# Altium PCB D-HMC194.PcbDoc
Units mil, origin at the board's own origin, x right, y up, seen from the top; angles counter-clockwise.
Board outline 1045 x 1153 mil, 2 copper layers (Top Layer, Bottom Layer); 12 components, 13 nets, 53 pads, 2 vias.
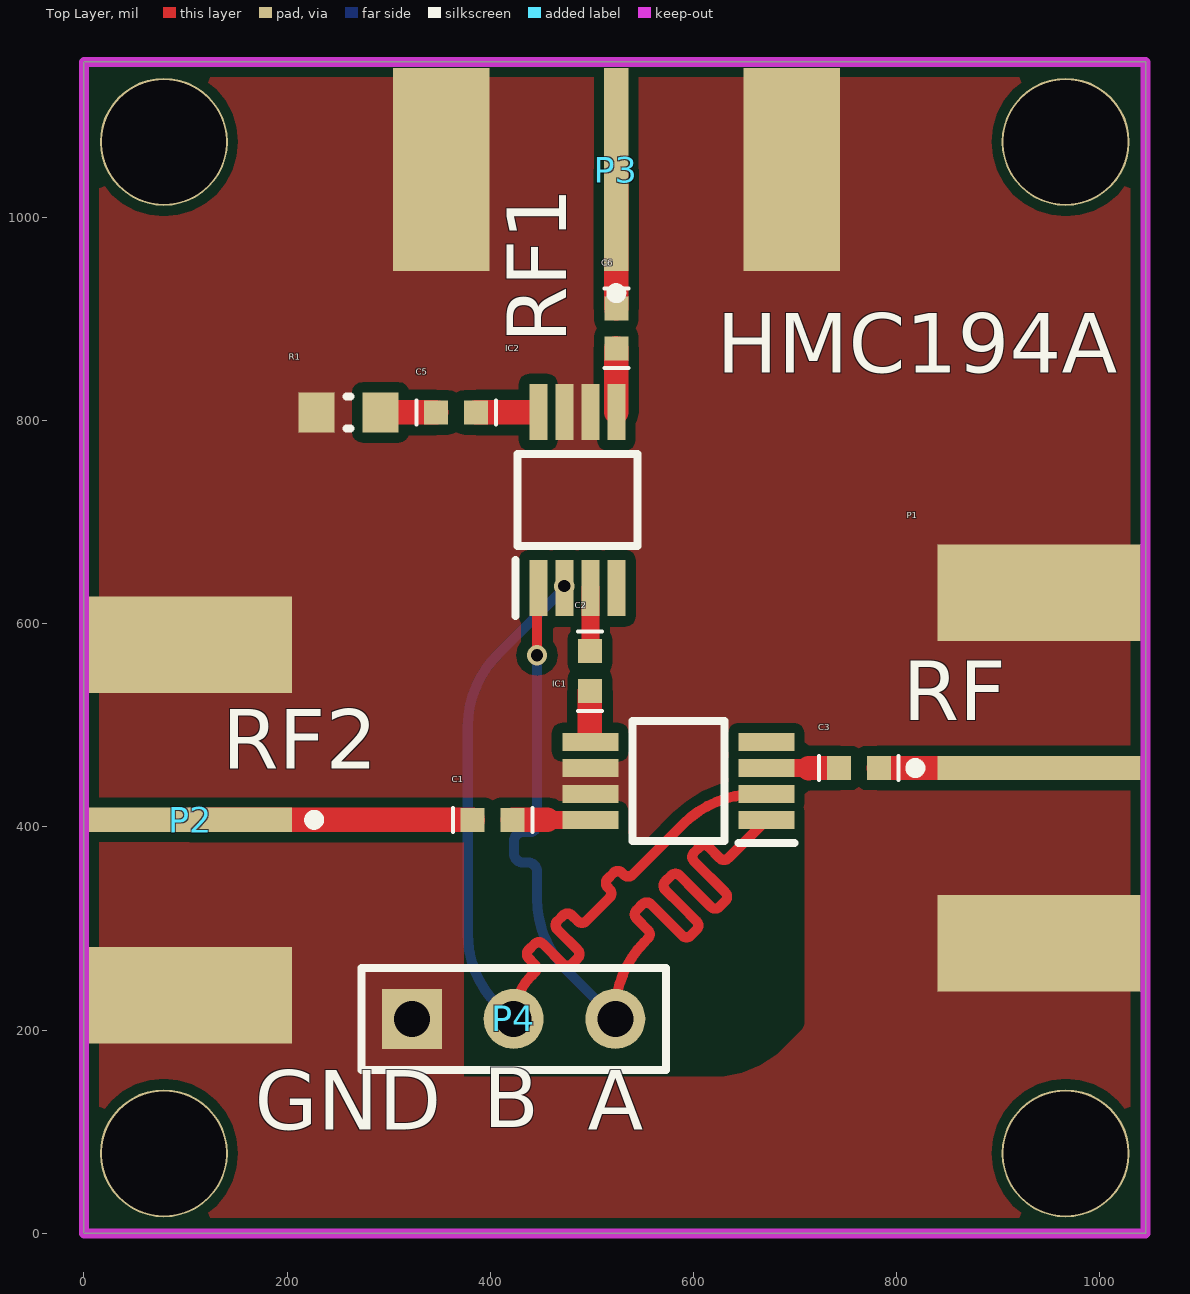
[diagram p0: Top Layer view]
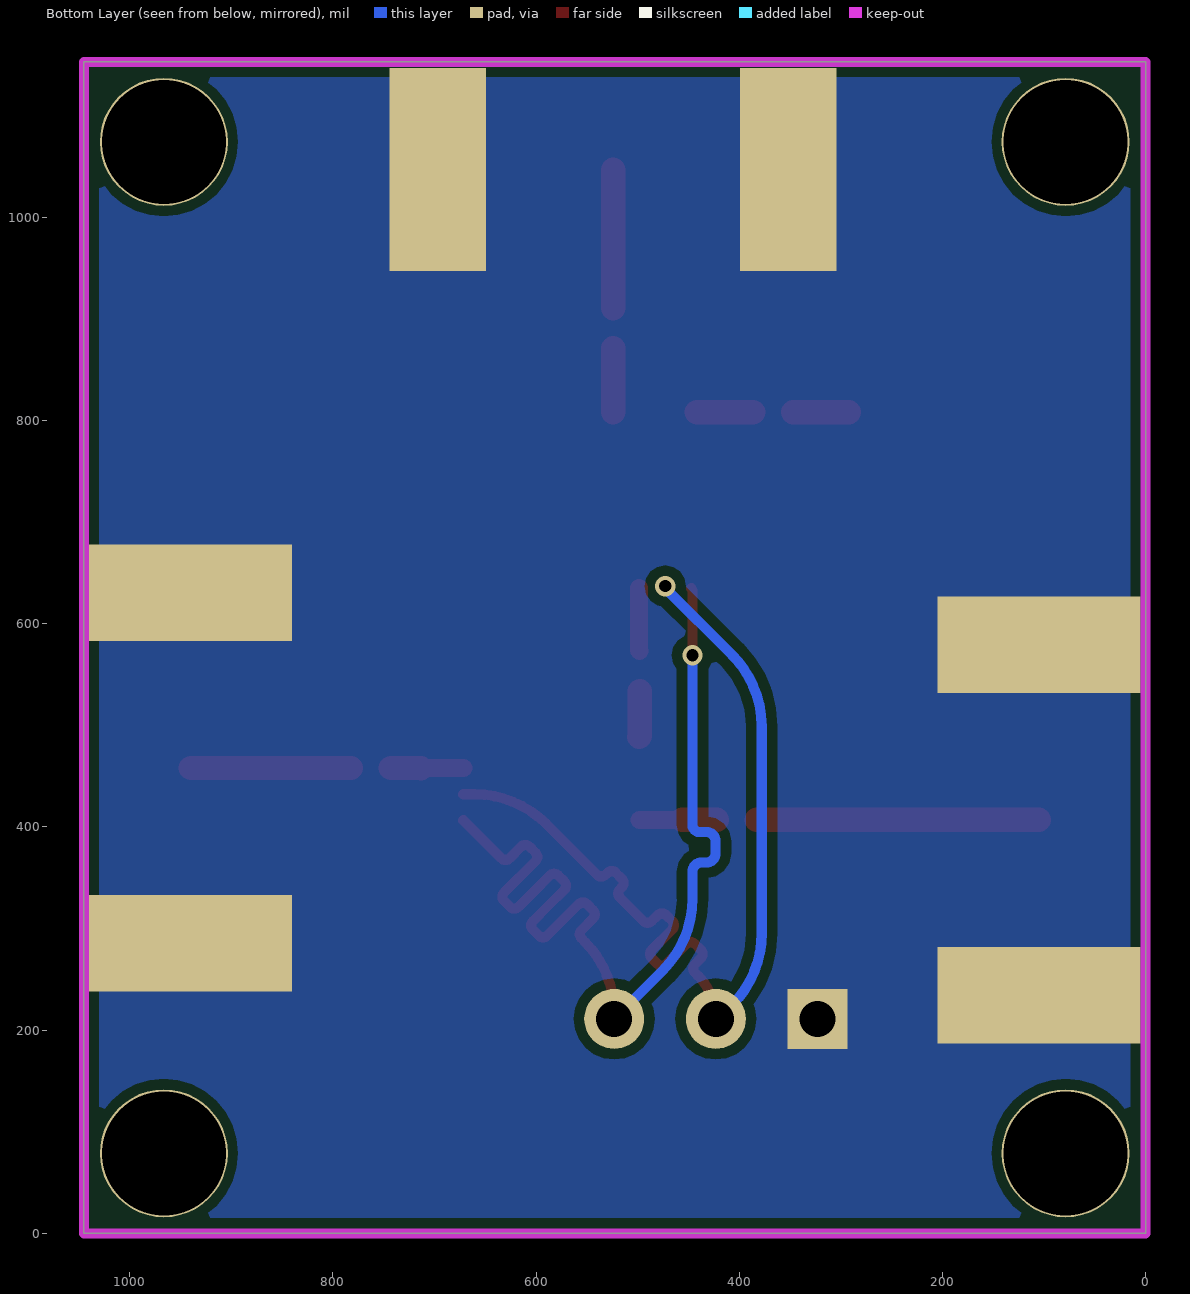
[diagram p1: Bottom Layer view, seen from below]

## Layer stack, top to bottom
Top Solder: solder mask 0.4, Solder Resist, Dk 3.5
Top Layer: signal copper 1.4
Dielectric 1: dielectric 12.6, FR-4, Dk 4.8
Bottom Layer: signal copper 1.4
Bottom Solder: solder mask 0.4, Solder Resist, Dk 3.5

## Board outline
0,0 0,1153 1045,1153 1045,0

## Design rules (kind name [scope] priority, off if disabled: settings)
Clearance [All] p1: gap=10 ignorepadtopadclearanceinfootprint=FALSE except(0: Arc-Hole Track-Hole SMDPad-Hole THPad-Hole Via-Hole Fill-Hole Poly-Hole Region-Hole Text-Hole)
PlaneConnect [All] p1: planeconnectstyle=Direct reliefexpansion=20 reliefentries=4 reliefconductorwidth=10 reliefairgap=10
PolygonConnect [All] p1: connectstyle=Direct reliefconductorwidth=10 reliefentries=4 polygonreliefangle="90 Angle" airgapwidth=10
RoutingVias [All] p1: holewidth=28 width=50 viastyle="Through Hole" minholewidth=28 minwidth=50 maxholewidth=28 maxwidth=50
SolderMaskExpansion [All] p1: expansion=4
Width [All] p1: maxlimit=24 minlimit=10 preferedwidth=17.72
29 further rules are at their usual default settings.

## Classes and differential pairs
net class dengchang: NetIC1_1 NetIC1_2

## Components (designator, comment, footprint, x,y, rotation, side; value= is the part's Value field where it differs from the comment)
C1 "10u" 0402 422,407 r180 top
C2 "10u" 0402 498,533.63 r90 top
C3 "10u" 0402 782.37,458 r180 top
C5 "10u" 0402 386,808 r180 top
C6 "10u" 0402 524,871 r90 top
IC1 "HMC194AMS8E" SOP65P488X110-8N 585,445 r180 top
IC2 "HMC194AMS8E" SOP65P488X110-8N 485.61,721.61 r90 top
P1 "SMA" SMA 844,463 r180 top
P2 "SMA" SMA 201,402 r0 top
P3 "SMA" SMA 519,951 r270 top
P4 "Header 3" HDR1X3 323,211 r0 top
R1 "50" 0603R 260.5,808 r180 top

## Footprints (in the part's own frame and the unit in brackets; to place one, negate y for a bottom-side part, rotate by r counter-clockwise, add the part's x,y. Pads: shape width x height; smd on the part's side, far side on the other; paste and mask are expansions set on the pad)
0402 [mm]
  rect 0.6x0.6 smd: 1(0,0) 2(1,0)
  silkscreen extent -0.5,-0.3 1.5,0.3
0603R [mm] "Chip Resistor, Body 1.6x0.8mm, IPC Medium Density"
  rect 0.9x1 smd: 1(-0.8,0) 2(0.8,0)
  silkscreen extent -0.05,-0.4 0.05,0.4, body extent -0.85,-0.47 0.85,0.47, height 0.6
HDR1X3 [mm] "Connector; Header; 3 Position"
  rect 1.5x1.5 hole 0.9: 1(0,0)
  round 1.5 hole 0.9: 2(2.54,0) 3(5.08,0)
  silkscreen extent -1.27,-1.27 6.35,1.27
SMA [mil]
  rect 200x24 smd: 1(-96,5)
  rect 200x95 smd: 2(-96,177.5) 2(-96,-167.5)
  rect 200x95 smd far side: 2(-96,177.5) 2(-96,177.5) 2(-96,-167.5)
  silkscreen extent 21,0 31,10, body extent -571,-183 -9,192, height 171
SOP65P488X110-8N [mm]
  rect 1.4x0.45 smd: 1(-2.2,0.975) 2(-2.2,0.325) 3(-2.2,-0.325) 4(-2.2,-0.975) 5(2.2,-0.975) 6(2.2,-0.325) 7(2.2,0.325) 8(2.2,0.975)
  silkscreen extent -2.9,-1.5 1.15,1.55, body extent -2.44,-1.5 2.44,1.5, height 1.1

## Part data
C1 C2 C3 C5 C6: library part C, "Capacitor"
IC1 IC2: "Integrated Circuit", Manufacturer_Name="Analog Devices", Mouser Part Number=584-HMC194AMS8E, Arrow Part Number=HMC194AMS8E, Arrow Price/Stock=https://www.arrow.com/en/products/hmc194ams8e/analog-devices, Datasheet Link=https://www.mouser.in/datasheet/2/609/hmc194a-1503833.pdf, Height=1.1mm, Manufacturer_Part_Number=HMC194AMS8E, Mouser Price/Stock=https://www.mouser.co.uk/ProductDetail/Analog-Devices/HMC194AMS8E?qs=pceeu5JH%2FH9MSXBwBTVYMg%3D%3D
P1 P2 P3: "SMA Connector"
P4: "Header, 3-Pin", LatestRevisionDate=17-Jul-2002, LatestRevisionNote="Re-released for DXP Platform.", Publisher="Altium Limited"
R1: library part Resistor, "Resistor"

## Free pads (board coordinates)
  round 125.98 hole 122.05: 2(78.74,78.74) 2(78.74,1074.26) 2(966.26,78.74) 2(966.26,1074.26)

## Via types
v1: diameter 20, hole 12, Top Layer to Bottom Layer, tented both sides, 2 vias

## Nets (pads, with @x,y where several pads share a name; then routed paths per layer and width w, separated by ;. In a path a pad name is that pad's centre, name@x,y a point inside that pad or via, vN(x,y) a via of type N, cw(c..) or ccw(c..) an arc to the next point about the centre after c; other vN are vias at no path point)
GND: IC1.6 IC1.7 IC2.6 IC2.7 P1.2 P2.2 P3.2 P4.1 R1.2
NetC1_1: C1.1 IC1.8 | length 76.5
  Top Layer w17.72: 455.99,407 ccw(c456.92,407.93) 456.92,406.61 IC1.8
  Top Layer w24: C1.1 455.99,407
NetC1_2: C1.2 P2.1 | length 277.6
  Top Layer w24: P2.1 C1.2
NetC2_1: C2.1 IC1.5 | length 45.1
  Top Layer w24: C2.1 498,489.58 ccw(c499.32,489.58) IC1.5@498.39,488.65
NetC2_2: C2.2 IC2.3 | length 62.1
  Top Layer w17.72: C2.2 ccw(c497.01,573.99) 498.41,573.99 IC2.3
NetC3_1: C3.1 P1.1 | length 157.6
  Top Layer w24: C3.1 P1.1
NetC3_2: C3.2 IC1.3 | length 71.5
  Top Layer w17.72: IC1.3 713.55,457.8
  Top Layer w24: 713.55,457.8 713.76,458 C3.2
NetC5_1: C5.1 IC2.8 | length 55.7
  Top Layer w24: C5.1 IC2.8@441.73,808
NetC5_2: C5.2 R1.1 | length 54.6
  Top Layer w24: R1.1 C5.2
NetC6_1: C6.1 IC2.5 | length 62.8
  Top Layer w24: IC2.5 C6.1
NetC6_2: C6.2 P3.1 | length 136.6
  Top Layer w24: C6.2 P3.1
NetIC1_1: IC1.1 IC2.1 P4.3 | length 981.7
  Top Layer w10: v1(446,569) 446,632.03 cw(c450.19,632.03) IC2.1 ; P4.3 523,216.58 cw(c623,216.58) 552.29,287.29 555.12,290.12 ccw(c550.88,294.36) 555.12,298.6 544.01,309.71 cw(c548.26,313.95) 544.01,318.19 549.67,323.85 cw(c553.91,319.61) 558.16,323.85 588.85,293.16 ccw(c593.09,297.4) 597.33,293.16 602.99,298.81 ccw(c598.75,303.06) 602.99,307.3 587.64,322.64 572.3,337.99 cw(c576.54,342.23) 572.3,346.48 577.95,352.13 cw(c582.2,347.89) 586.44,352.13 601.79,336.79 617.13,321.44 ccw(c621.38,325.68) 625.62,321.44 631.28,327.1 ccw(c627.03,331.34) 631.28,335.58 600.58,366.28 cw(c604.82,370.52) 600.58,374.76 606.24,380.42 cw(c610.48,376.18) 614.72,380.42 625.83,369.31 ccw(c630.07,373.56) 634.31,369.31 IC1.1
  Bottom Layer w10: v1(446,569) 446,402 cw(c439,402) 439,395 432.3,395 ccw(c432.3,386) 423.3,386 423.3,374 ccw(c432.3,374) 432.3,365 437,365 cw(c437,356) 446,356 446,329.42 ccw(c546,329.42) 475.29,258.71 P4.3
NetIC1_2: IC1.2 IC2.2 P4.2 | length 941.4
  Top Layer w10: P4.2 cw(c483.36,211) 440.68,253.68 443.51,256.51 ccw(c439.26,260.75) 443.51,264.99 437.85,270.65 cw(c442.09,274.89) 437.85,279.13 443.51,284.79 cw(c447.75,280.55) 451.99,284.79 471.79,264.99 ccw(c476.03,269.23) 480.28,264.99 485.93,270.65 ccw(c481.69,274.89) 485.93,279.13 466.13,298.93 cw(c470.38,303.18) 466.13,307.42 471.79,313.07 cw(c476.03,308.83) 480.28,313.07 485.93,307.42 ccw(c490.18,311.66) 494.42,307.42 517.33,330.33 ccw(c513.09,334.57) 517.33,338.81 515.56,340.58 cw(c519.8,344.82) 515.56,349.07 521.22,354.72 cw(c525.46,350.48) 529.7,354.72 531.47,352.96 ccw(c535.71,357.2) 539.96,352.96 589.92,402.92 cw(c660.63,332.2) 660.63,432.2 IC1.2
  Bottom Layer w10: P4.2@407.11,224.71 cw(c477.82,295.42) 377.82,295.42 377.82,498.76 cw(c477.82,498.76) 383.11,530.85 cw(c477.82,498.76) 407.11,569.47 v1@472.64,635 ; P4.2@407.29,226.71 P4.2
  other v1: 472.82,637
pads on no net: IC1.4 IC2.4

## Polygon pours and split planes (outlines as drawn)
GND on Top Layer "Top Layer-No Net" (solid, pour order 0): 0,1153 1045,1153 1045,0 0,0
GND on Bottom Layer "Top Layer-No Net" (solid, pour order 2): 0,1153 1045,1153 1045,0 0,0

## Keep-outs
Keep-Out Layer:
  lines w10: 0,0 0,1153 1045,1153 1045,0 15,0 0,0

## Other copper
Top Layer:
  pour cut-out: 375,389 ccw(c377.41,386.59) 374,386.59 374,154 618.58,154 ccw(c618.58,254) 689.29,183.29 706,200 ccw(c697.87,208.13) 709.37,208.13 709.37,397.76 602.37,397.76 cw(c602.37,415.37) 589.92,402.92 581.95,394.95 cw(c570,406.9) 570,390

## Silkscreen, mask and mechanical layers (free items; w line width, h text height)
Top Overlay:
  text "RF1" at 494,876 h100 r90
  text "HMC194A" at 623,828 h100
  text "RF" at 806,486 h100
  text "RF2" at 136,438 h100
  text "B" at 393,85 h100
  text "GND" at 168,83 h100
  text "A" at 496,83 h100
Top Solder:
  rectangle: 12,668 204,974